# Altium PCB PCB_3U_DDS.PcbDoc (part 6 of 12) (continued)
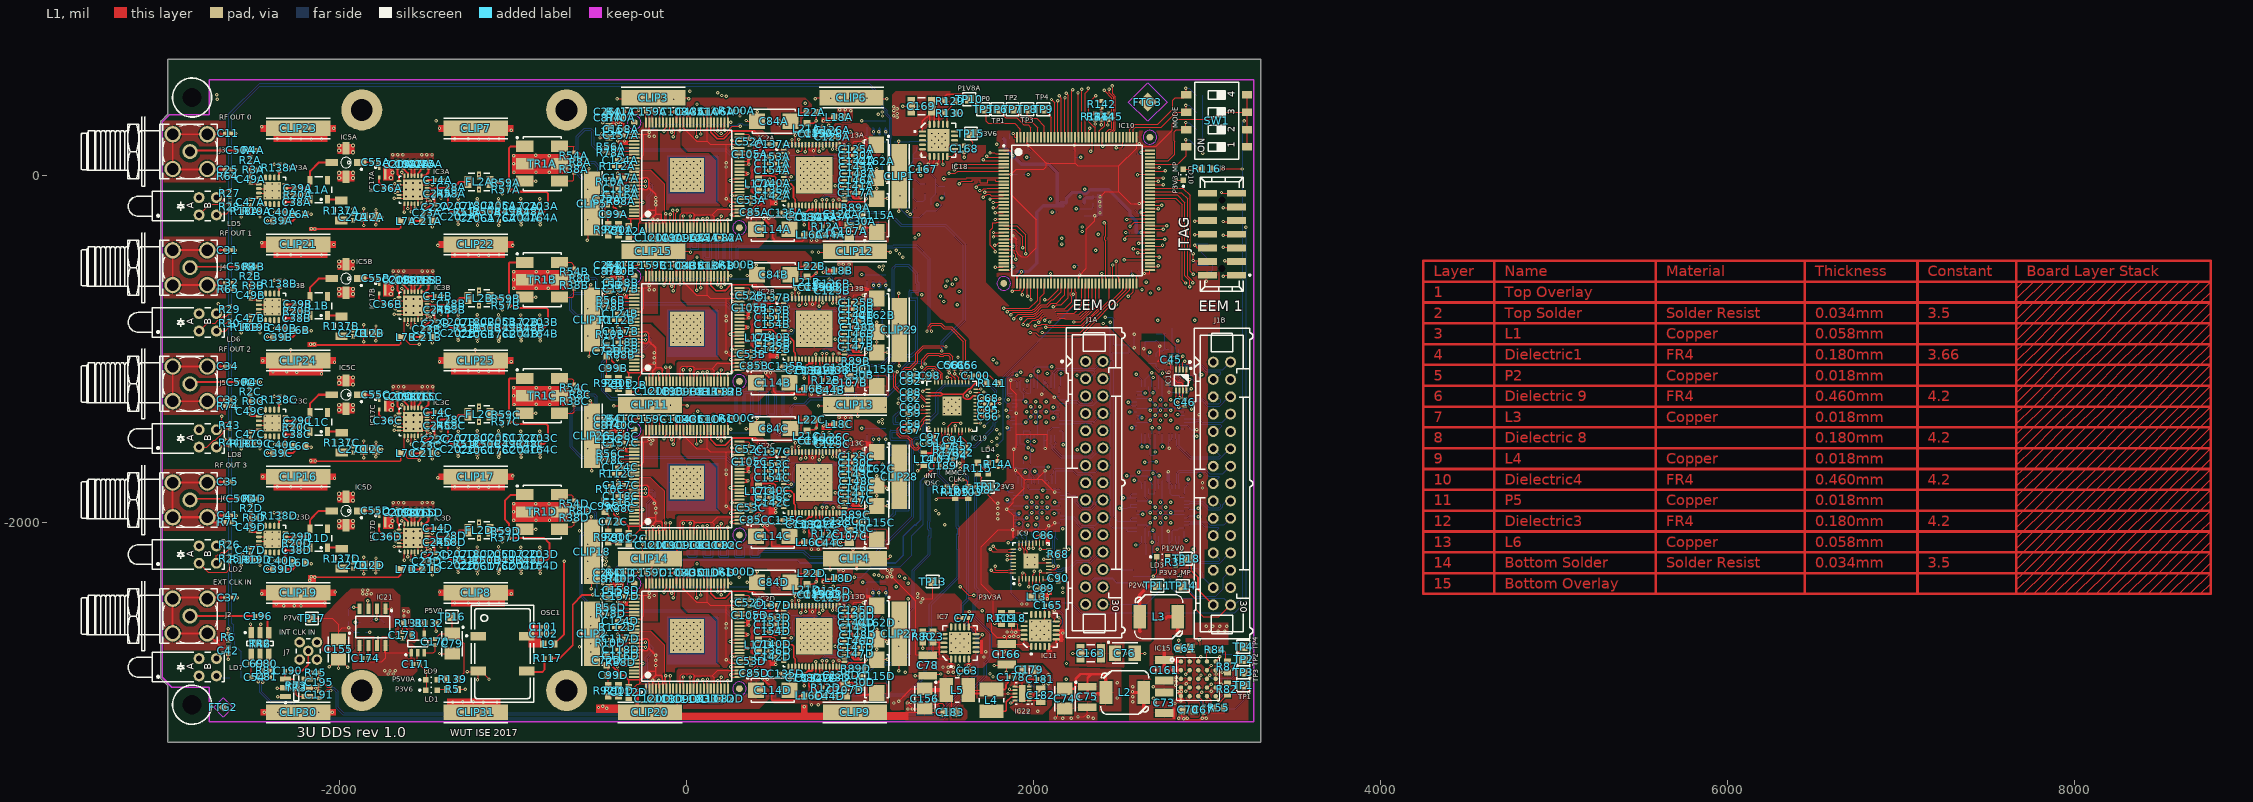
[diagram p0: L1 view]
## Nets (pads, with @x,y where several pads share a name; then routed paths per layer and width w, separated by ;. In a path a pad name is that pad's centre, name@x,y a point inside that pad or via, vN(x,y) a via of type N, cw(c..) or ccw(c..) an arc to the next point about the centre after c; other vN are vias at no path point) (continued)
; v1(-424.21,-2769.79) -422.24,-2771.76 C116D.1@-398.82,-2771.76 C118D.1@-398.82,-2736.32 ; v1(-424.21,-1883.96) -422.24,-1885.93 C116C.1@-398.82,-1885.93 C118C.1@-398.82,-1850.5 ; v1(-423.23,-984.25) -418.51,-984.25 -416.59,-982.33 C116B.1@-398.82,-1000.1 C118B.1@-398.82,-964.67 ; v1(-423.23,-98.43) -423.23,-113.29 -422.24,-114.28 C116A.1@-398.82,-114.28 C118A.1@-398.82,-78.84 ; v1(-422.1,-1330.4) -313.49,-1330.4 -218.09,-1330.4 CLIP11.1@-212.6,-1324.91 -191.49,-1324.91 -94.49,-1324.91 -4.36,-1324.91 v1(1.13,-1330.4) ; R112D.2@-421.06,-2607.39 -421.06,-2609.55 -402.05,-2628.57 -358.54,-2628.57 v1(-348.5,-2618.53) -348.5,-2615.22 -350.39,-2613.33 -335.49,-2598.43 IC2D.85@-303.15,-2598.43 ; R112C.2@-421.06,-1721.56 -421.06,-1723.72 -402.05,-1742.74 -358.54,-1742.74 v1(-348.5,-1732.7) -348.5,-1729.39 -350.39,-1727.5 -335.49,-1712.6 IC2C.85@-303.15,-1712.6 ; R112B.2@-421.06,-835.73 -421.06,-837.9 -402.05,-856.91 -358.54,-856.91 v1(-348.5,-846.87) -348.5,-843.56 -350.39,-841.67 -335.49,-826.77 IC2B.85@-303.15,-826.77 ; R112A.2@-421.06,50.09 -421.06,47.93 -402.05,28.91 -358.54,28.91 v1(-348.5,38.95) -348.5,42.26 -350.39,44.15 -335.49,59.06 IC2A.85@-303.15,59.06 ; C124D.1@-402.76,-2570.97 -389.76,-2557.98 -389.76,-2546.36 v1(-382.77,-2539.37) IC2D.82@-303.15,-2539.37 ; C124C.1@-402.76,-1685.14 -402.76,-1684.86 -384.13,-1666.23 -384.13,-1654.9 v1(-382.77,-1653.54) IC2C.82@-303.15,-1653.54 ; C124B.1@-402.76,-799.32 -402.76,-799.04 -384.13,-780.41 -384.13,-769.07 v1(-382.77,-767.72) IC2B.82@-303.15,-767.72 ; C124A.1@-402.76,86.51 -402.76,86.79 -383.13,106.42 -383.13,117.76 v1(-382.77,118.11) IC2A.82@-303.15,118.11 ; v1(-402.42,441.26) v1(-281.5,441.26) v1(-212.6,441.26) -198.41,441.26 CLIP3.1@-192.92,446.75 -143.7,446.75 -74.8,446.75 5.48,446.75 v1(10.97,441.26) ; v1(-399.61,-2834.75) R88D.1@-399.61,-2807.19 -376.16,-2830.63 -349.41,-2830.63 -342.2,-2823.43 -342.2,-2816.61 -340.55,-2814.96 IC2D.96@-303.15,-2814.96 v1(-255.02,-2814.96) ; v1(-399.61,-1948.92) R88C.1@-399.61,-1921.36 -377.95,-1943.02 -346.35,-1943.02 -341.13,-1937.79 -341.13,-1932.79 -337.47,-1929.13 IC2C.96@-303.15,-1929.13 v1(-255.02,-1929.13) ; v1(-399.61,-1063.09) R88B.1@-399.61,-1035.54 -377.95,-1057.19 -351.2,-1057.19 -349.41,-1058.98 -342.2,-1051.77 -342.2,-1044.96 -340.55,-1043.31 IC2B.96@-303.15,-1043.31 v1(-255.02,-1043.31) ; R88A.1@-399.61,-149.71 -383.86,-165.46 ; C117D.1@-397.64,-2672.35 v1@-397.64,-2652.27 ; v1(-397.64,-2646.76) v1@-397.64,-2652.27 ; C158D.1@-397.64,-2391.73 C157D.1@-397.64,-2427.17 v1(-397.64,-2459.75) -396.76,-2460.63 v1(-359.25,-2460.63) ; C117C.1@-397.64,-1786.52 v1@-397.64,-1766.44 ; v1(-397.64,-1760.93) v1@-397.64,-1766.44 ; C158C.1@-397.64,-1505.91 C157C.1@-397.64,-1541.34 v1(-397.64,-1573.92) -396.76,-1574.8 v1(-359.25,-1574.8) ; C117B.1@-397.64,-900.69 v1@-397.64,-880.61 ; v1(-397.64,-875.1) v1@-397.64,-880.61 ; C158B.1@-397.64,-620.08 C157B.1@-397.64,-655.51 v1(-397.64,-688.09) -396.76,-688.98 v1(-359.25,-688.98) ; C117A.1@-397.64,-14.87 v1@-397.64,5.21 ; v1(-397.64,10.72) v1@-397.64,5.21 ; C158A.1@-397.64,265.75 C157A.1@-397.64,230.31 v1(-397.64,197.73) -396.76,196.85 v1(-359.25,196.85) ; v1(-383.86,-177.17) -383.86,-165.46 ; IC2D.88@-303.15,-2657.48 -340.55,-2657.48 -341.02,-2657.01 -341.02,-2656.42 -346.75,-2650.69 -389.76,-2650.69 -391.34,-2652.27 v1@-397.64,-2652.27 ; IC2D.79@-303.15,-2480.31 -352.46,-2480.31 -359.25,-2473.53 v1(-359.25,-2460.63) ; IC2D.78@-303.15,-2460.63 v1(-359.25,-2460.63) ; IC2C.88@-303.15,-1771.65 -340.55,-1771.65 -341.02,-1771.18 -341.02,-1770.6 -346.75,-1764.87 -389.76,-1764.87 -391.34,-1766.44 v1@-397.64,-1766.44 ; IC2C.79@-303.15,-1594.49 -352.46,-1594.49 -359.25,-1587.7 v1(-359.25,-1574.8) ; IC2C.78@-303.15,-1574.8 v1(-359.25,-1574.8) ; IC2B.88@-303.15,-885.83 -340.55,-885.83 -341.02,-885.35 -341.02,-884.77 -346.75,-879.04 -389.76,-879.04 -391.34,-880.61 v1@-397.64,-880.61 ; IC2B.79@-303.15,-708.66 -352.46,-708.66 -359.25,-701.87 v1(-359.25,-688.98) ; IC2B.78@-303.15,-688.98 v1(-359.25,-688.98) ; IC2A.88@-303.15,0 -340.55,0 -341.02,0.47 -341.02,1.06 -346.75,6.79 -389.76,6.79 -391.34,5.21 v1@-397.64,5.21 ; IC2A.79@-303.15,177.17 -352.46,177.17 -359.25,183.95 v1(-359.25,196.85) ; IC2A.78@-303.15,196.85 v1(-359.25,196.85) ; v1(-255.02,-157.48) IC2A.96@-303.15,-157.48 -340.55,-157.48 -342.2,-159.13 -342.2,-165.95 -350.05,-173.79 -375.53,-173.79 -378,-171.31 -383.86,-165.46 ; v1(-254.78,-2127.64) -254.78,-2168.55 CLIP14.1@-212.6,-2210.73 ; IC2D.73@-196.85,-2354.33 -199.8,-2351.38 C159D.1@-199.8,-2292.32 ; IC2C.73@-196.85,-1468.5 -199.8,-1465.55 C159C.1@-199.8,-1406.5 -176.93,-1406.5 -175.3,-1406.5 -176.93,-1408.13 v1(-176.93,-1408.25) ; IC2B.73@-196.85,-582.68 -199.8,-579.72 C159B.1@-199.8,-520.67 -176.93,-520.67 -175.3,-520.67 -176.93,-522.3 v1(-176.93,-522.42) ; IC2A.73@-196.85,303.15 -199.8,306.1 C159A.1@-199.8,365.16 -176.93,365.16 -175.3,365.16 -176.93,363.52 v1(-176.93,363.41) ; CLIP15.1@-192.92,-439.08 15.32,-439.08 v1(20.81,-444.57) ; C120C.1@-178.15,-2132.98 C120C.1@-175.15,-2129.97 ; C120B.1@-178.15,-1247.15 C120B.1@-175.15,-1244.15 ; IC2D.4@-177.17,-2960.63 -177.17,-3013.78 C120D.1@-175.15,-3015.8 ; IC2C.4@-177.17,-2074.8 -177.17,-2127.95 C120C.1@-175.15,-2129.97 ; IC2B.4@-177.17,-1188.98 -177.17,-1242.13 C120B.1@-175.15,-1244.15 ; IC2A.4@-177.17,-303.15 -177.17,-356.3 C120A.1@-175.15,-358.32 ; v1(-176.93,-2294.08) -176.93,-2293.96 -175.3,-2292.32 -176.93,-2292.32 C159D.1@-199.8,-2292.32 ; v1(-161.14,-2912.83) -161.14,-2956.97 IC2D.5@-157.48,-2960.63 -157.48,-2998.13 C120D.1@-175.15,-3015.8 ; v1(-161.14,-2026.83) -161.14,-2071.14 IC2C.5@-157.48,-2074.8 -157.48,-2112.31 C120C.1@-175.15,-2129.97 ; v1(-161.14,-1140.83) -161.14,-1185.31 IC2B.5@-157.48,-1188.98 -157.48,-1226.48 C120B.1@-175.15,-1244.15 ; IC2A.5@-157.48,-303.15 -157.48,-340.65 C120A.1@-175.15,-358.32 ; IC2D.65@-39.37,-2354.33 -39.37,-2316.03 -32.48,-2309.14 C108D.1@-32.48,-2293.41 -35.49,-2290.4 -35.49,-2245.58 -70.34,-2210.73 CLIP14.1@-101.64,-2210.73 ; v1(-39.37,-1514.87) IC2C.65@-39.37,-1468.5 -39.37,-1431.03 -32.48,-1424.14 C108C.1@-32.48,-1407.58 ; v1(-39.37,-629.04) IC2B.65@-39.37,-582.68 -39.37,-546.03 -32.48,-539.14 C108B.1@-32.48,-521.76 ; v1(-39.37,256.79) IC2A.65@-39.37,303.15 -39.37,340.97 -32.48,347.86 C108A.1@-32.48,364.07 ; IC2D.13@0,-2960.63 1.97,-2962.6 1.97,-3010.83 C110D.1@11.81,-3020.67 11.81,-3022.34 -7.7,-3041.85 -39.54,-3041.85 -40.65,-3040.75 -59.06,-3040.75 C109D.1@-59.06,-3020.67 v1(-82.68,-3020.67) -96.46,-3020.67 -96.46,-3035.12 -103.19,-3041.85 -163.99,-3041.85 -170.28,-3035.57 ; IC2D.63@0,-2354.33 0,-2319.98 5.39,-2314.59 20.67,-2314.59 ; IC2C.13@0,-2074.8 1.97,-2076.77 1.97,-2125 C110C.1@11.81,-2134.84 11.81,-2136.51 -7.7,-2156.02 -39.54,-2156.02 -40.65,-2154.92 -59.06,-2154.92 ; IC2C.63@0,-1468.5 0,-1434.16 5.39,-1428.76 20.67,-1428.76 ; IC2B.13@0,-1188.98 1.97,-1190.94 1.97,-1239.17 C110B.1@11.81,-1249.02 11.81,-1250.69 -7.7,-1270.2 -39.54,-1270.2 -40.65,-1269.09 -59.06,-1269.09 C109B.1@-59.06,-1249.02 v1(-82.68,-1249.02) -96.46,-1249.02 -96.46,-1263.09 -103.56,-1270.2 -162.65,-1270.2 -170.28,-1262.57 -170.28,-1249.02 C120B.1@-175.15,-1244.15 ; IC2B.63@0,-582.68 0,-548.33 5.39,-542.94 20.67,-542.94 ; IC2A.13@0,-303.15 1.97,-305.12 1.97,-353.35 C110A.1@11.81,-363.19 11.81,-364.86 -7.7,-384.37 -39.54,-384.37 -40.65,-383.27 -59.06,-383.27 C109A.1@-59.06,-363.19 v1(-82.68,-363.19) -96.46,-363.19 -96.46,-377.12 -103.71,-384.37 -175.18,-384.37 -178.15,-381.4 C120A.1@-178.15,-361.32 C120A.1@-175.15,-358.32 ; IC2A.63@0,303.15 0,337.5 5.39,342.89 20.67,342.89 ; v1(40.35,-2270.77) C43D.1@40.35,-2293.41 40.35,-2313.49 21.95,-2313.49 20.84,-2314.59 20.67,-2314.59 ; v1(40.35,-1384.94) C43C.1@40.35,-1407.58 40.35,-1427.66 21.95,-1427.66 20.84,-1428.76 20.67,-1428.76 ; v1(40.35,-499.12) C43B.1@40.35,-521.76 40.35,-541.83 21.95,-541.83 20.84,-542.94 20.67,-542.94 ; v1(40.35,386.71) C43A.1@40.35,364.07 40.35,343.99 21.95,343.99 20.84,342.89 20.67,342.89 ; IC2D.16@59.06,-2960.63 59.06,-2923.23 63.24,-2919.05 v1(63.24,-2911.23) ; IC2C.16@59.06,-2074.8 59.06,-2037.4 63.24,-2033.22 v1(63.24,-2025.4) ; IC2B.16@59.06,-1188.98 59.06,-1151.57 63.24,-1147.39 v1(63.24,-1139.58) ; IC2A.16@59.06,-303.15 59.06,-265.75 63.24,-261.57 v1(63.24,-253.75) ; v1(81.69,-2270.77) C51D.1@81.69,-2293.41 96.93,-2308.65 96.93,-2308.92 98.43,-2310.42 IC2D.58@98.43,-2354.33 ; v1(81.69,-1384.94) C51C.1@81.69,-1407.58 78.67,-1407.58 80.18,-1409.09 98.43,-1427.34 IC2C.58@98.43,-1468.5 ; v1(81.69,-499.12) C51B.1@81.69,-521.76 79.84,-521.76 80.77,-522.68 98.43,-540.34 IC2B.58@98.43,-582.68 ; v1(81.69,386.71) C51A.1@81.69,364.07 80.02,364.07 80.85,363.23 98.43,345.66 IC2A.58@98.43,303.15 ; v1(92.77,-2908.28) 94.2,-2908.28 98.43,-2912.5 IC2D.18@98.43,-2960.63 99.8,-2962.01 99.8,-2999.71 118.11,-3018.01 C83D.1@118.11,-3019.69 ; v1(92.77,-2022.45) 94.2,-2022.45 98.43,-2026.68 IC2C.18@98.43,-2074.8 99.8,-2076.18 99.8,-2113.88 118.11,-2132.19 C83C.1@118.11,-2133.86 ; v1(92.77,-1136.62) 94.2,-1136.62 98.43,-1140.85 IC2B.18@98.43,-1188.98 99.8,-1190.36 99.8,-1228.05 118.11,-1246.36 C83B.1@118.11,-1248.03 ; v1(92.77,-250.8) 94.2,-250.8 98.43,-255.02 IC2A.18@98.43,-303.15 99.8,-304.53 99.8,-342.23 118.11,-360.53 C83A.1@118.11,-362.2 ; v1(177.17,-2913.49) IC2D.22@177.17,-2960.63 179.13,-2962.6 179.13,-3009.84 C111D.1@188.98,-3019.69 ; v1(177.17,-2027.66) IC2C.22@177.17,-2074.8 179.13,-2076.77 179.13,-2124.02 C111C.1@188.98,-2133.86 ; v1(177.17,-1141.83) IC2B.22@177.17,-1188.98 179.13,-1190.94 179.13,-1238.19 C111B.1@188.98,-1248.03 ; v1(177.17,-256.01) IC2A.22@177.17,-303.15 179.13,-305.12 179.13,-352.36 C111A.1@188.98,-362.2 ; C106D.1@188.98,-2289.47 209.65,-2289.47 236.22,-2316.05 IC2D.51@236.22,-2354.33 239.07,-2351.48 v1(253.94,-2351.48) ; C106C.1@188.98,-1403.65 209.65,-1403.65 236.22,-1430.22 IC2C.51@236.22,-1468.5 239.07,-1465.65 v1(253.94,-1465.65) ; C106B.1@188.98,-517.82 209.65,-517.82 236.22,-544.39 IC2B.51@236.22,-582.68 239.07,-579.83 v1(253.94,-579.83) ; C106A.1@188.98,368.01 209.65,368.01 236.22,341.43 IC2A.51@236.22,303.15 239.07,306 v1(253.94,306) ; v1(235.24,-2915.46) 235.24,-2959.65 IC2D.25@236.22,-2960.63 236.22,-2996.06 238.66,-2998.5 240.33,-2998.5 245.59,-3003.76 245.59,-3005.43 C82D.1@259.84,-3019.69 ; v1(235.24,-2029.63) 235.24,-2073.82 IC2C.25@236.22,-2074.8 236.22,-2110.24 238.66,-2112.68 240.33,-2112.68 245.59,-2117.94 245.59,-2119.61 C82C.1@259.84,-2133.86 ; v1(235.24,-1143.8) 235.24,-1187.99 IC2B.25@236.22,-1188.98 236.22,-1224.41 238.66,-1226.85 240.33,-1226.85 245.59,-1232.11 245.59,-1233.78 C82B.1@259.84,-1248.03 ; v1(235.24,-257.98) 235.24,-302.17 IC2A.25@236.22,-303.15 236.22,-338.58 238.66,-341.02 240.33,-341.02 245.59,-346.28 245.59,-347.95 C82A.1@259.84,-362.2 ; v1(251.97,-2834.75) 252.07,-2834.65 IC2D.29@303.15,-2834.65 ; v1(251.97,-1948.92) 252.07,-1948.82 IC2C.29@303.15,-1948.82 ; v1(251.97,-1063.09) 252.07,-1062.99 IC2B.29@303.15,-1062.99 ; v1(251.97,-177.27) 252.07,-177.17 IC2A.29@303.15,-177.17 ; v1(259.84,-2456.8) 263.68,-2460.63 IC2D.48@303.15,-2460.63 344.59,-2460.63 357.39,-2447.83 C52D.1@361.22,-2447.83 ; v1(259.84,-1570.97) 263.68,-1574.8 IC2C.48@303.15,-1574.8 344.59,-1574.8 357.39,-1562.01 C52C.1@361.22,-1562.01 ; v1(259.84,-685.14) 263.68,-688.98 IC2B.48@303.15,-688.98 344.59,-688.98 357.39,-676.18 C52B.1@361.22,-676.18 ; v1(259.84,200.68) 263.68,196.85 IC2A.48@303.15,196.85 344.59,196.85 357.39,209.65 C52A.1@361.22,209.65 ; v1(263.68,-2500) IC2D.46@303.15,-2500 ; v1(263.68,-1614.17) IC2C.46@303.15,-1614.17 ; v1(263.68,-728.35) IC2B.46@303.15,-728.35 ; v1(263.68,157.48) IC2A.46@303.15,157.48 ; 265.75,-1123.7 266.88,-1123.7 ; v1(302.63,-2318.65) 306.69,-2314.58 R100D.2@306.69,-2287.5 ; IC2D.26@303.15,-2893.7 256.93,-2893.7 256.93,-2883.78 v1(253.4,-2880.24) 259.62,-2874.02 IC2D.27@303.15,-2874.02 ; IC2D.31@303.15,-2795.28 342.42,-2795.28 350,-2787.69 350,-2785.43 ; IC2D.33@303.15,-2755.91 263.88,-2755.91 260.83,-2758.96 v1(260.83,-2774.71) 261.71,-2775.59 IC2D.32@303.15,-2775.59 340.55,-2775.59 340.45,-2775.69 350,-2785.24 350,-2785.43 ; IC2D.34@303.15,-2736.22 306,-2733.37 346.46,-2733.37 346.46,-2732.39 v1(352.36,-2726.48) 342.42,-2716.54 IC2D.35@303.15,-2716.54 ; IC2D.36@303.15,-2696.85 259.74,-2696.85 v1(250.98,-2688.09) 251.97,-2688.09 262.9,-2677.17 IC2D.37@303.15,-2677.17 ; IC2D.38@303.15,-2657.48 347.34,-2657.48 352.36,-2652.46 v1(352.36,-2647.74) 342.42,-2637.8 IC2D.39@303.15,-2637.8 ; IC2D.41@303.15,-2598.43 354.43,-2598.43 v1(358.27,-2594.59) 358.27,-2578.15 361.22,-2575.2 ; IC2D.42@303.15,-2578.74 354.43,-2578.74 357.98,-2575.2 361.22,-2575.2 ; IC2D.43@303.15,-2559.06 357.28,-2559.06 C105D.1@361.22,-2555.12 ; IC2D.44@303.15,-2539.37 340.55,-2539.37 340.55,-2537.5 358.17,-2555.12 C105D.1@361.22,-2555.12 ; IC2D.49@303.15,-2440.94 354.33,-2440.94 C52D.1@361.22,-2447.83 ; IC2D.50@303.15,-2421.26 354.43,-2421.26 360.93,-2427.76 361.22,-2427.76 C52D.1@361.22,-2447.83 ; IC2C.26@303.15,-2007.87 262.48,-2007.87 v1(255.4,-2000.79) 255.4,-1998.33 265.75,-1987.98 265.75,-1988.19 IC2C.27@303.15,-1988.19 ; IC2C.31@303.15,-1909.45 342.42,-1909.45 350,-1901.87 350,-1899.61 ; IC2C.33@303.15,-1870.08 263.88,-1870.08 260.83,-1873.13 v1(260.83,-1888.88) 261.71,-1889.76 IC2C.32@303.15,-1889.76 340.55,-1889.76 340.45,-1889.87 350,-1899.42 350,-1899.61 ; IC2C.34@303.15,-1850.39 306,-1847.54 346.46,-1847.54 346.46,-1846.56 v1(352.36,-1840.65) 342.42,-1830.71 IC2C.35@303.15,-1830.71 ; IC2C.36@303.15,-1811.02 259.74,-1811.02 v1(250.98,-1802.27) 251.97,-1802.27 262.9,-1791.34 IC2C.37@303.15,-1791.34 ; IC2C.38@303.15,-1771.65 347.34,-1771.65 352.36,-1766.63 v1(352.36,-1761.91) 342.42,-1751.97 IC2C.39@303.15,-1751.97 ; IC2C.41@303.15,-1712.6 354.43,-1712.6 v1(358.27,-1708.76) 358.27,-1692.32 361.22,-1689.37 ; IC2C.42@303.15,-1692.91 354.43,-1692.91 357.98,-1689.37 361.22,-1689.37 ; IC2C.43@303.15,-1673.23 357.28,-1673.23 C105C.1@361.22,-1669.29 ; IC2C.44@303.15,-1653.54 340.55,-1653.54 340.55,-1651.68 358.17,-1669.29 C105C.1@361.22,-1669.29 ; IC2C.49@303.15,-1555.12 354.33,-1555.12 C52C.1@361.22,-1562.01 ; IC2C.50@303.15,-1535.43 354.43,-1535.43 360.93,-1541.93 361.22,-1541.93 C52C.1@361.22,-1562.01 ; IC2B.26@303.15,-1122.05 301.49,-1123.7 266.88,-1123.7 ; IC2B.27@303.15,-1102.36 301.49,-1104.02 259.84,-1104.02 259.84,-1130.74 266.88,-1123.7 ; IC2B.31@303.15,-1023.62 342.42,-1023.62 350,-1016.04 350,-1013.78 ; IC2B.33@303.15,-984.25 263.88,-984.25 260.83,-987.31 v1(260.83,-1003.06) 261.71,-1003.94 IC2B.32@303.15,-1003.94 340.55,-1003.94 340.45,-1004.04 350,-1013.59 350,-1013.78 ; IC2B.34@303.15,-964.57 306,-961.72 346.46,-961.72 346.46,-960.73 v1(352.36,-954.83) 342.42,-944.88 IC2B.35@303.15,-944.88 ; IC2B.36@303.15,-925.2 259.74,-925.2 v1(250.98,-916.44) 251.97,-916.44 262.9,-905.51 IC2B.37@303.15,-905.51 ; IC2B.38@303.15,-885.83 347.34,-885.83 352.36,-880.8 v1(352.36,-876.09) 342.42,-866.14 IC2B.39@303.15,-866.14 ; IC2B.41@303.15,-826.77 354.43,-826.77 v1(358.27,-822.94) 358.27,-806.5 361.22,-803.54 ; IC2B.42@303.15,-807.09 354.43,-807.09 357.98,-803.54 361.22,-803.54 ; IC2B.43@303.15,-787.4 357.28,-787.4 C105B.1@361.22,-783.46 ; IC2B.44@303.15,-767.72 340.55,-767.72 340.55,-765.85 358.17,-783.46 C105B.1@361.22,-783.46 ; IC2B.49@303.15,-669.29 354.33,-669.29 C52B.1@361.22,-676.18 ; IC2B.50@303.15,-649.61 354.43,-649.61 360.93,-656.1 361.22,-656.1 C52B.1@361.22,-676.18 ; IC2A.26@303.15,-236.22 263.38,-236.22 v1(256.4,-229.24) 259.84,-225.79 259.84,-216.54 IC2A.27@303.15,-216.54 ; IC2A.31@303.15,-137.8 342.42,-137.8 350,-130.21 350,-127.95 ; IC2A.33@303.15,-98.43 263.88,-98.43 260.83,-101.48 v1(260.83,-117.23) 261.71,-118.11 IC2A.32@303.15,-118.11 340.55,-118.11 340.45,-118.21 350,-127.76 350,-127.95 ; IC2A.34@303.15,-78.74 306,-75.89 346.46,-75.89 346.46,-74.91 v1(352.36,-69) 342.42,-59.06 IC2A.35@303.15,-59.06 ; IC2A.36@303.15,-39.37 259.74,-39.37 v1(250.98,-30.61) 251.97,-30.61 262.9,-19.69 IC2A.37@303.15,-19.69 ; IC2A.38@303.15,0 347.34,0 352.36,5.02 v1(352.36,9.74) 342.42,19.68 IC2A.39@303.15,19.68 ; IC2A.41@303.15,59.06 354.43,59.06 v1(358.27,62.89) 358.27,79.33 361.22,82.28 ; IC2A.42@303.15,78.74 354.43,78.74 357.98,82.28 361.22,82.28 ; IC2A.43@303.15,98.43 357.28,98.43 C105A.1@361.22,102.36 ; IC2A.44@303.15,118.11 345.19,118.11 345.71,117.6 345.98,117.6 C105A.1@361.22,102.36 ; IC2A.49@303.15,216.54 354.33,216.54 C52A.1@361.22,209.65 ; IC2A.50@303.15,236.22 354.43,236.22 360.93,229.72 361.22,229.72 C52A.1@361.22,209.65 ; v1(306.57,-1428.88) 306.69,-1428.76 R100C.2@306.69,-1401.68 ; v1(306.57,-539.12) 306.69,-538.99 R100B.2@306.69,-515.85 ; v1(306.57,342.77) 306.69,342.9 R100A.2@306.69,369.98 ; v1(341.65,-1460.73) C84C.2@404.33,-1460.73 404.33,-1401.98 v1(404.99,-1401.32) ; v1(342.52,315.21) 346.81,310.92 C84A.2@404.33,310.92 404.33,365.73 v1(404.99,366.39) ; v1(347.24,-2346.21) 403.98,-2346.21 C84D.2@404.33,-2346.56 404.33,-2287.81 v1(404.99,-2287.15) ; v1(347.24,-578.49) 400.75,-578.49 C84B.2@404.33,-574.91 404.33,-522.71 v1(401.06,-519.43) ; v1(387.8,-2446.95) 386.91,-2447.83 C52D.1@361.22,-2447.83 ; v1(387.8,-1561.13) 386.91,-1562.01 C52C.1@361.22,-1562.01 ; v1(387.8,-675.3) 386.91,-676.18 C52B.1@361.22,-676.18 ; v1(387.8,210.53) 386.91,209.65 C52A.1@361.22,209.65 ; v1(395.86,-2786.48) 371.13,-2786.48 C53D.1@370.08,-2785.43 350,-2785.43 ; v1(395.86,-1900.65) 371.13,-1900.65 C53C.1@370.08,-1899.61 350,-1899.61 ; v1(395.86,-1014.83) 371.13,-1014.83 C53B.1@370.08,-1013.78 350,-1013.78 ; v1(395.86,-129) 371.13,-129 C53A.1@370.08,-127.95 350,-127.95 ; C85D.1@406.57,-2871.48 406.4,-2871.3 406.4,-2851.4 407.4,-2850.4 v1(407.4,-2847.24) ; C85C.1@406.57,-1985.65 417.4,-1974.83 v1(417.4,-1961.24) ; C85B.1@406.57,-1099.83 406.57,-1099.5 v1(424.36,-1081.72) ; C85A.1@406.57,-214 406.57,-189.24 406.57,-188.06 407.75,-189.24 v1(408.4,-189.24) ; v1@410.75,-1965.24 v1@414.75,-1961.24 ; v1(446.85,-2589.67) 447.83,-2590.65 C151D.1@474.02,-2590.65 ; v1(446.85,-1703.84) 447.83,-1704.83 C151C.1@474.02,-1704.83 ; v1(446.85,-818.02) 447.83,-819 C151B.1@474.02,-819 ; v1(446.85,67.81) 447.83,66.83 C151A.1@474.02,66.83 ; v1(447.83,-2629.04) 448.82,-2630.02 C154D.1@474.02,-2630.02 475.87,-2631.87 475.87,-2647.8 491.51,-2647.8 493.93,-2650.22 503.68,-2650.22 504.67,-2651.2 525.37,-2651.2 528.94,-2647.64 IC13D.8@558.66,-2647.64 558.76,-2647.74 v1(585.63,-2647.74) ; v1(447.83,-1743.21) 448.82,-1744.2 C154C.1@474.02,-1744.2 475.87,-1746.05 475.87,-1762.54 492.08,-1762.54 493.93,-1764.39 506.85,-1764.39 507.84,-1765.38 525.37,-1765.38 528.94,-1761.81 IC13C.8@558.66,-1761.81 558.76,-1761.91 v1(585.63,-1761.91) ; v1(447.83,-857.39) 448.82,-858.37 C154B.1@474.02,-858.37 475.87,-860.22 475.87,-876.72 492.08,-876.72 493.93,-878.57 497.23,-878.57 498.22,-879.55 525.37,-879.55 528.94,-875.98 IC13B.8@558.66,-875.98 558.76,-876.09 v1(585.63,-876.09) ; v1(447.83,28.44) 448.82,27.46 C154A.1@474.02,27.46 475.87,25.61 475.87,10.2 490.99,10.2 493.93,7.26 510.2,7.26 511.18,6.28 525.37,6.28 528.94,9.84 IC13A.8@558.66,9.84 558.76,9.74 v1(585.63,9.74) ; v1(449.86,-2746.48) 472.14,-2746.48 C136D.1@477.14,-2741.48 477.14,-2774.48 C142D.1@476.14,-2775.48 ; v1(449.86,-1860.65) 472.14,-1860.65 C136C.1@477.14,-1855.65 477.14,-1888.65 C142C.1@476.14,-1889.65 ; v1(449.86,-974.83) 472.14,-974.83 C136B.1@477.14,-969.83 477.14,-1002.83 C142B.1@476.14,-1003.83 ; v1(449.86,-89) 472.14,-89 C136A.1@477.14,-84 477.14,-117 C142A.1@476.14,-118 ; v1(453.35,-2481.01) 454.72,-2481.01 456.3,-2479.43 C137D.1@476.38,-2479.43 ; v1(453.35,-1595.18) 454.72,-1595.18 456.3,-1593.61 C137C.1@476.38,-1593.61 ; v1(453.35,-709.35) 454.72,-709.35 456.3,-707.78 C137B.1@476.38,-707.78 ; v1(453.35,176.47) 454.72,176.47 456.3,178.05 C137A.1@476.38,178.05 ; C153D.1@474.02,-2551.28 479.33,-2545.97 479.33,-2530.61 480.42,-2529.53 IC13D.2@558.66,-2529.53 558.76,-2529.63 v1(584.65,-2529.63) ; C153C.1@474.02,-1665.46 479.33,-1660.14 479.33,-1644.79 480.42,-1643.7 IC13C.2@558.66,-1643.7 558.76,-1643.8 v1(584.65,-1643.8) ; C153B.1@474.02,-779.63 479.33,-774.32 479.33,-758.96 480.42,-757.87 IC13B.2@558.66,-757.87 558.76,-757.98 v1(584.65,-757.98) ; C153A.1@474.02,106.2 479.33,111.51 479.33,126.87 480.42,127.95 IC13A.2@558.66,127.95 558.76,127.85 v1(584.65,127.85) ; C140D.1@477.95,-2704.83 477.95,-2681.6 v1(478.35,-2681.2) ; C140C.1@477.95,-1819 477.95,-1795.77 v1(478.35,-1795.38) ; C140B.1@477.95,-933.17 477.95,-909.94 v1(478.35,-909.55) ; C140A.1@477.95,-47.35 477.95,-24.12 v1(478.35,-23.72) ; v1(525.76,-1989.21) 526.32,-1988.65 C135C.1@553.14,-1988.65 ; v1(525.86,-2872.48) 527.86,-2874.48 C135D.1@553.14,-2874.48 ; v1(525.86,-215) 527.86,-217 C135A.1@553.14,-217 ; v1(530,-1110) 530,-1104.97 527.86,-1102.83 530,-1102.83 C135B.1@553.14,-1102.83 ; v1(532.86,-2968.48) C114D.2@592.31,-2968.48 592.31,-2915.02 v1(594.86,-2912.48) ; v1(532.86,-2082.65) C114C.2@592.31,-2082.65 592.31,-2029.2 v1(594.86,-2026.65) ; v1(532.86,-1196.83) C114B.2@592.31,-1196.83 592.31,-1143.37 v1(594.86,-1140.83) ; v1(532.86,-311) C114A.2@592.31,-311 592.31,-257.54 v1(594.86,-255) ; IC13D.6@558.66,-2608.27 556.59,-2610.34 558.66,-2610.34 v1(588.58,-2610.34) ; IC13D.4@558.66,-2568.9 585.53,-2568.9 v1(585.63,-2569) ; IC13C.6@558.66,-1722.44 556.59,-1724.51 558.66,-1724.51 v1(588.58,-1724.51) ; IC13C.4@558.66,-1683.07 585.53,-1683.07 v1(585.63,-1683.17) ; IC13B.6@558.66,-836.61 556.59,-838.69 558.66,-838.69 v1(588.58,-838.69) ; IC13B.4@558.66,-797.24 585.53,-797.24 v1(585.63,-797.35) ; IC13A.6@558.66,49.21 556.59,47.14 558.66,47.14 v1(588.58,47.14) ; IC13A.4@558.66,88.58 585.53,88.58 v1(585.63,88.48) ; C114D.2@625,-2942.03 C114D.2@625.59,-2941.44 ; C114C.2@625,-2056.2 C114C.2@625.59,-2055.61 ; C114B.2@625,-1170.38 C114B.2@625.59,-1169.79 ; C114A.2@625,-284.55 C114A.2@625.59,-283.96 ; C138D.1@675.2,-2915.46 677.17,-2917.43 v1(677.17,-2943.02) ; C138C.1@675.2,-2029.63 677.17,-2031.6 v1(677.17,-2057.19) ; C138B.1@675.2,-1143.8 677.17,-1145.77 v1(677.17,-1171.36) ; C138A.1@675.2,-257.98 677.17,-259.94 v1(677.17,-285.54) ; 676.51,-3106.58 v1(676.51,-3063.58) ; IC13D.58@704.33,-2482.28 704.33,-2510.54 709.65,-2515.85 v1(724.41,-2515.85) ; IC13C.58@704.33,-1596.46 704.33,-1624.71 709.65,-1630.02 v1(724.41,-1630.02) ; IC13B.58@704.33,-710.63 704.33,-738.88 709.65,-744.2 v1(724.41,-744.2) ; IC13A.58@704.33,175.2 704.33,146.94 710.1,141.17 v1@724.87,141.17 ; IC13D.57@724.02,-2482.28 724.02,-2515.46 v1(724.41,-2515.85) ; IC13C.57@724.02,-1596.46 724.02,-1629.63 v1(724.41,-1630.02) ; IC13B.57@724.02,-710.63 724.02,-743.8 v1(724.41,-744.2) ; IC13A.57@724.02,175.2 724.02,142.02 v1@724.87,141.17 ; v1(728.35,-2943.02) 729.92,-2941.44 C134D.1@729.92,-2917.43 C127D.1@765.35,-2917.43 ; v1(728.35,-2057.19) 729.92,-2055.61 C134C.1@729.92,-2031.6 C127C.1@765.35,-2031.6 ; v1(728.35,-1171.36) 729.92,-1169.79 C134B.1@729.92,-1145.77 C127B.1@765.35,-1145.77 ; v1(728.35,-285.54) 729.92,-283.96 C134A.1@729.92,-259.94 C127A.1@765.35,-259.94 ; v1(739.31,-602.05) 740.55,-602.05 743.7,-598.9 743.7,-602.05 C149B.1@743.7,-628.06 777.89,-628.06 C150B.1@779.16,-626.79 ; v1(739.32,441.26) 744.81,446.75 828.51,446.75 937.51,446.75 CLIP6.1@948.82,446.75 954.31,441.26 1038.51,441.26 v1(1152.7,441.26) ; v1(743.57,-1487.94) 743.57,-1513.76 C149C.1@743.7,-1513.88 ; IC13D.56@743.7,-2482.28 743.7,-2511.32 739.17,-2515.85 v1(724.41,-2515.85) ; C149D.1@743.7,-2399.71 777.89,-2399.71 C150D.1@779.16,-2398.44 778.69,-2397.97 778.69,-2378.36 783.35,-2373.7 v1(788.52,-2373.7) ; IC13C.56@743.7,-1596.46 743.7,-1625.5 739.17,-1630.02 v1(724.41,-1630.02) ; IC13B.56@743.7,-710.63 743.7,-739.67 739.17,-744.2 v1(724.41,-744.2) ; IC13A.56@743.7,175.2 743.7,146.16 738.72,141.17 v1(729.86,141.17) v1@724.87,141.17 ; C149A.1@743.7,257.77 777.89,257.77 C150A.1@779.16,259.04 779.16,279.5 v1(780.87,281.21) ; v1(759,-1330.4) 812.51,-1330.4 849.51,-1330.4 963.01,-1330.4 CLIP13.1@968.5,-1324.91 985.38,-1341.78 v1(985.38,-1389.45) ; v1(759,-444.57) 963.01,-444.57 CLIP12.1@968.5,-439.08 1166.9,-439.08 v1(1172.39,-444.57) ; C150C.1@779.16,-1512.61 779.16,-1484.15 779.3,-1484 v1(782.95,-1484) ; v1(818.56,287.64) 818.56,286.84 820.47,284.94 C126A.1@820.47,259.84 822.44,257.87 822.44,220.37 IC13A.52@822.44,175.2 ; v1(821.85,-1485.34) 820.47,-1486.72 C126C.1@820.47,-1511.81 822.44,-1513.78 822.44,-1551.28 IC13C.52@822.44,-1596.46 ; v1(821.85,-599.51) 820.47,-600.89 C126B.1@820.47,-625.98 822.44,-627.95 822.44,-665.46 IC13B.52@822.44,-710.63 ; IC13D.52@822.44,-2482.28 822.44,-2437.11 822.44,-2399.61 C126D.1@820.47,-2397.64 820.47,-2372.54 823.41,-2369.61 v1(844.45,-2369.61) ; v1(826.51,-2274.58) 826.51,-2243.58 844.51,-2225.58 953.65,-2225.58 CLIP4.1@968.5,-2210.73 ; C133D.1@836.61,-2914.47 854.39,-2932.25 854.39,-2933.12 v1(851.38,-2936.13) ; C133C.1@836.61,-2028.65 854.39,-2046.42 854.39,-2047.29 v1(851.38,-2050.3) ; C133B.1@836.61,-1142.82 854.39,-1160.59 854.39,-1161.46 v1(851.38,-1164.47) ; C133A.1@836.61,-256.99 854.39,-274.76 854.39,-275.64 v1(851.38,-278.65) ; v1(877.25,-2797.05) 877.25,-2798.41 883.96,-2805.12 IC13D.33@909.06,-2805.12 ; v1(877.25,-1911.23) 877.25,-1912.58 883.96,-1919.29 IC13C.33@909.06,-1919.29 ; v1(877.25,-1025.4) 877.25,-1026.76 883.96,-1033.46 IC13B.33@909.06,-1033.46 ; v1(877.25,-139.57) 881.66,-139.57 889.72,-147.64 IC13A.33@909.06,-147.64 ; v1(879.92,-2688.09) 907.97,-2688.09 IC13D.39@909.06,-2687.01 ; v1(879.92,-1802.27) 907.97,-1802.27 IC13C.39@909.06,-1801.18 ; v1(879.92,-916.44) 907.97,-916.44 IC13B.39@909.06,-915.35 ; v1(879.92,-30.61) 907.97,-30.61 IC13A.39@909.06,-29.53 ; v1(881.89,-2608.37) 908.95,-2608.37 IC13D.43@909.06,-2608.27 ; v1(881.89,-1722.54) 908.95,-1722.54 IC13C.43@909.06,-1722.44 ; v1(881.89,-836.72) 908.95,-836.72 IC13B.43@909.06,-836.61 ; v1(881.89,49.11) 908.95,49.11 IC13A.43@909.06,49.21 ; C128D.1@908.46,-2879.04 909.45,-2878.06 C128D.1@911.42,-2878.06 ; C128C.1@908.46,-1993.21 909.45,-1992.23 C128C.1@911.42,-1992.23 ; C128B.1@908.46,-1107.39 909.45,-1106.4 C128B.1@911.42,-1106.4 ; C128A.1@908.46,-221.56 909.45,-220.57 C128A.1@911.42,-220.57 ; C128D.1@911.42,-2886.91 911.42,-2881.99 C128D.1@911.42,-2878.06 ; C128C.1@911.42,-2001.09 911.42,-1996.17 C128C.1@911.42,-1992.23 ; C128B.1@911.42,-1115.26 911.42,-1110.34 C128B.1@911.42,-1106.4 ; C128A.1@911.42,-229.43 911.42,-224.51 C128A.1@911.42,-220.57 ; v1(928.44,-2865.96) 916.34,-2878.06 C128D.1@911.42,-2878.06 ; v1(928.44,-1980.13) 916.34,-1992.23 C128C.1@911.42,-1992.23 ; v1(928.44,-1094.3) 916.34,-1106.4 C128B.1@911.42,-1106.4 ; v1(928.44,-208.48) 916.34,-220.57 C128A.1@911.42,-220.57 ; v1(958,-2155.61) 958,-2195.93 955.85,-2198.08 CLIP4.1@968.5,-2210.73 ; CLIP9.1@959.87,-3130.79 959.87,-3105.19 CLIP9.1@968.5,-3096.56 1350.39,-3096.56 C156.2@1372.05,-3074.91 ; C147D.1@991.14,-2759.95 991.14,-2723.53 C141D.1@992.13,-2722.54 1014.76,-2722.54 v1(1015.75,-2721.56) ; C147C.1@991.14,-1874.12 991.14,-1837.7 C141C.1@992.13,-1836.72 1014.76,-1836.72 v1(1015.75,-1835.73) ; C147B.1@991.14,-988.29 991.14,-951.87 C141B.1@992.13,-950.89 1014.76,-950.89 v1(1015.75,-949.91) ; C147A.1@991.14,-102.46 991.14,-66.05 C141A.1@992.13,-65.06 1014.76,-65.06 v1(1015.75,-64.08) ; R89D.2@992.91,-2844.59 996.02,-2841.48 v1(1014.86,-2841.48) ; R89C.2@992.91,-1958.76 1006.02,-1945.65 v1(1038.86,-1945.65) 1057.2,-1945.65 C115C.2@1095.28,-1907.58 ; R89B.2@992.91,-1072.94 996.02,-1069.83 v1(1014.86,-1069.83) ; R89A.2@992.91,-187.11 996.02,-184 v1(1014.86,-184) ; C130D.1@993.7,-2543.41 1018.7,-2543.41 v1(1019.69,-2544.39) ; C125D.1@993.7,-2507.98 993.7,-2487.35 v1(996.38,-2484.67) v1@1001.65,-2484.67 ; C130C.1@993.7,-1657.58 1018.7,-1657.58 v1(1019.69,-1658.57) ; C125C.1@993.7,-1622.15 993.7,-1601.52 v1(996.38,-1598.84) v1@1001.65,-1598.84 ; C130B.1@993.7,-771.76 1018.7,-771.76 1019.86,-770.6 v1(1019.86,-769.83) ; C125B.1@993.7,-736.32 993.7,-713.98 v1(996.86,-710.83) 999.46,-710.83 v1@1001.65,-713.02 ; C130A.1@993.7,114.07 1018.7,114.07 v1(1019.69,113.09) ; C125A.1@993.7,149.5 993.7,170.13 v1(996.38,172.81) v1@1001.65,172.81 ; v1(1017.72,-2685.14) 993.57,-2685.14 990.94,-2685.14 990.94,-2653.65 990.94,-2610.34 990.94,-2581.6 C144D.1@993.7,-2578.84 v1(1019.69,-2578.84)